# KiCad board panel.opm-inline.kicad_pcb (continued)
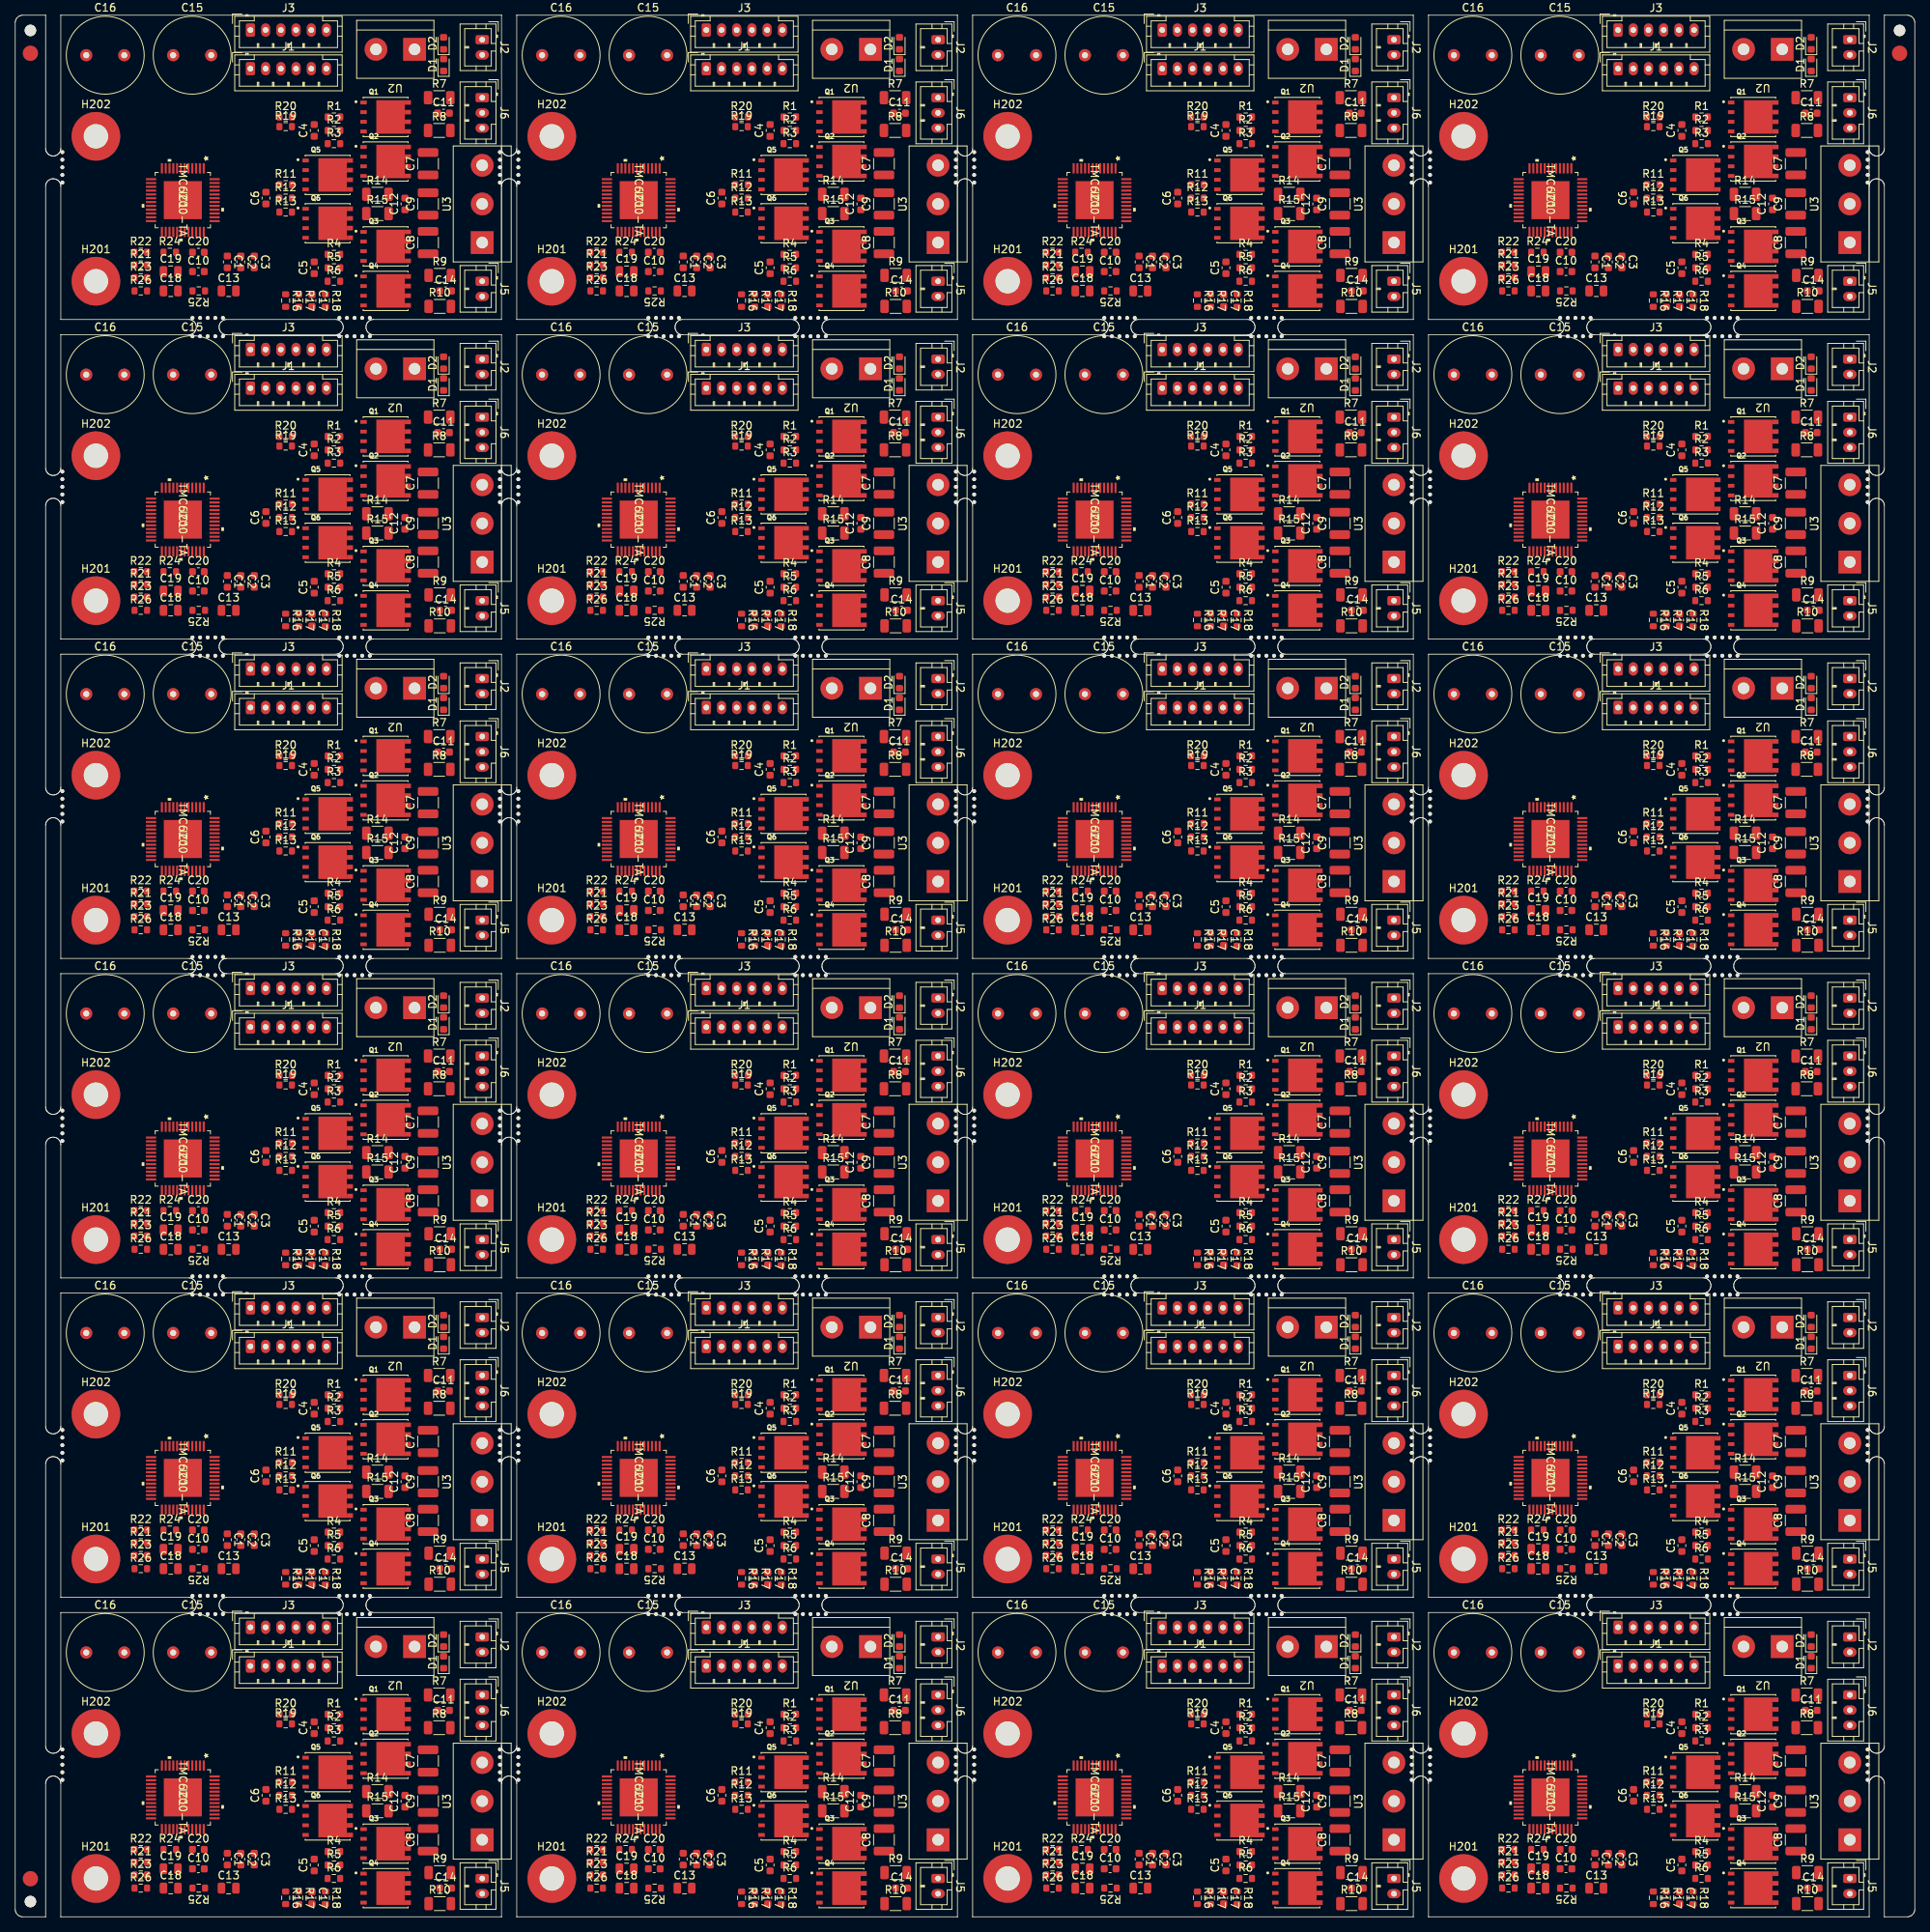
[diagram p0: board, top side]
## Placement (name value [footprint] x y rotation side) (continued)
R16#6  10000R/1%  [R_0603_1608Metric]  95.52 170.46 270 top
R16#7  10000R/1%  [R_0603_1608Metric]  155.47 170.46 270 top
R16#8  10000R/1%  [R_0603_1608Metric]  215.42 170.46 270 top
R16#9  10000R/1%  [R_0603_1608Metric]  35.57 128.47 270 top
R16#10  10000R/1%  [R_0603_1608Metric]  95.52 128.47 270 top
R16#11  10000R/1%  [R_0603_1608Metric]  155.47 128.47 270 top
R16#12  10000R/1%  [R_0603_1608Metric]  215.42 128.47 270 top
R16#13  10000R/1%  [R_0603_1608Metric]  35.57 86.48 270 top
R16#14  10000R/1%  [R_0603_1608Metric]  95.52 86.48 270 top
R16#15  10000R/1%  [R_0603_1608Metric]  155.47 86.48 270 top
R16#16  10000R/1%  [R_0603_1608Metric]  215.42 86.48 270 top
R16#17  10000R/1%  [R_0603_1608Metric]  35.57 44.49 270 top
R16#18  10000R/1%  [R_0603_1608Metric]  95.52 44.49 270 top
R16#19  10000R/1%  [R_0603_1608Metric]  155.47 44.49 270 top
R16#20  10000R/1%  [R_0603_1608Metric]  215.42 44.49 270 top
R16#21  10000R/1%  [R_0603_1608Metric]  35.57 2.5 270 top
R16#22  10000R/1%  [R_0603_1608Metric]  95.52 2.5 270 top
R16#23  10000R/1%  [R_0603_1608Metric]  155.47 2.5 270 top
R16#24  10000R/1%  [R_0603_1608Metric]  215.42 2.5 270 top
R17  4700R/1%  [R_0603_1608Metric]  37.28 212.45 270 top
R17#2  4700R/1%  [R_0603_1608Metric]  97.23 212.45 270 top
R17#3  4700R/1%  [R_0603_1608Metric]  157.18 212.45 270 top
R17#4  4700R/1%  [R_0603_1608Metric]  217.13 212.45 270 top
R17#5  4700R/1%  [R_0603_1608Metric]  37.28 170.46 270 top
R17#6  4700R/1%  [R_0603_1608Metric]  97.23 170.46 270 top
R17#7  4700R/1%  [R_0603_1608Metric]  157.18 170.46 270 top
R17#8  4700R/1%  [R_0603_1608Metric]  217.13 170.46 270 top
R17#9  4700R/1%  [R_0603_1608Metric]  37.28 128.47 270 top
R17#10  4700R/1%  [R_0603_1608Metric]  97.23 128.47 270 top
R17#11  4700R/1%  [R_0603_1608Metric]  157.18 128.47 270 top
R17#12  4700R/1%  [R_0603_1608Metric]  217.13 128.47 270 top
R17#13  4700R/1%  [R_0603_1608Metric]  37.28 86.48 270 top
R17#14  4700R/1%  [R_0603_1608Metric]  97.23 86.48 270 top
R17#15  4700R/1%  [R_0603_1608Metric]  157.18 86.48 270 top
R17#16  4700R/1%  [R_0603_1608Metric]  217.13 86.48 270 top
R17#17  4700R/1%  [R_0603_1608Metric]  37.28 44.49 270 top
R17#18  4700R/1%  [R_0603_1608Metric]  97.23 44.49 270 top
R17#19  4700R/1%  [R_0603_1608Metric]  157.18 44.49 270 top
R17#20  4700R/1%  [R_0603_1608Metric]  217.13 44.49 270 top
R17#21  4700R/1%  [R_0603_1608Metric]  37.28 2.5 270 top
R17#22  4700R/1%  [R_0603_1608Metric]  97.23 2.5 270 top
R17#23  4700R/1%  [R_0603_1608Metric]  157.18 2.5 270 top
R17#24  4700R/1%  [R_0603_1608Metric]  217.13 2.5 270 top
R18  4700R/1%  [R_0603_1608Metric]  40.79 212.45 270 top
R18#2  4700R/1%  [R_0603_1608Metric]  100.74 212.45 270 top
R18#3  4700R/1%  [R_0603_1608Metric]  160.69 212.45 270 top
R18#4  4700R/1%  [R_0603_1608Metric]  220.64 212.45 270 top
R18#5  4700R/1%  [R_0603_1608Metric]  40.79 170.46 270 top
R18#6  4700R/1%  [R_0603_1608Metric]  100.74 170.46 270 top
R18#7  4700R/1%  [R_0603_1608Metric]  160.69 170.46 270 top
R18#8  4700R/1%  [R_0603_1608Metric]  220.64 170.46 270 top
R18#9  4700R/1%  [R_0603_1608Metric]  40.79 128.47 270 top
R18#10  4700R/1%  [R_0603_1608Metric]  100.74 128.47 270 top
R18#11  4700R/1%  [R_0603_1608Metric]  160.69 128.47 270 top
R18#12  4700R/1%  [R_0603_1608Metric]  220.64 128.47 270 top
R18#13  4700R/1%  [R_0603_1608Metric]  40.79 86.48 270 top
R18#14  4700R/1%  [R_0603_1608Metric]  100.74 86.48 270 top
R18#15  4700R/1%  [R_0603_1608Metric]  160.69 86.48 270 top
R18#16  4700R/1%  [R_0603_1608Metric]  220.64 86.48 270 top
R18#17  4700R/1%  [R_0603_1608Metric]  40.79 44.49 270 top
R18#18  4700R/1%  [R_0603_1608Metric]  100.74 44.49 270 top
R18#19  4700R/1%  [R_0603_1608Metric]  160.69 44.49 270 top
R18#20  4700R/1%  [R_0603_1608Metric]  220.64 44.49 270 top
R18#21  4700R/1%  [R_0603_1608Metric]  40.79 2.5 270 top
R18#22  4700R/1%  [R_0603_1608Metric]  100.74 2.5 270 top
R18#23  4700R/1%  [R_0603_1608Metric]  160.69 2.5 270 top
R18#24  4700R/1%  [R_0603_1608Metric]  220.64 2.5 270 top
R19  1000R/1%  [R_0603_1608Metric]  35.57 235.31 0 top
R19#2  1000R/1%  [R_0603_1608Metric]  95.52 235.31 0 top
R19#3  1000R/1%  [R_0603_1608Metric]  155.47 235.31 0 top
R19#4  1000R/1%  [R_0603_1608Metric]  215.42 235.31 0 top
R19#5  1000R/1%  [R_0603_1608Metric]  35.57 193.32 0 top
R19#6  1000R/1%  [R_0603_1608Metric]  95.52 193.32 0 top
R19#7  1000R/1%  [R_0603_1608Metric]  155.47 193.32 0 top
R19#8  1000R/1%  [R_0603_1608Metric]  215.42 193.32 0 top
R19#9  1000R/1%  [R_0603_1608Metric]  35.57 151.33 0 top
R19#10  1000R/1%  [R_0603_1608Metric]  95.52 151.33 0 top
R19#11  1000R/1%  [R_0603_1608Metric]  155.47 151.33 0 top
R19#12  1000R/1%  [R_0603_1608Metric]  215.42 151.33 0 top
R19#13  1000R/1%  [R_0603_1608Metric]  35.57 109.34 0 top
R19#14  1000R/1%  [R_0603_1608Metric]  95.52 109.34 0 top
R19#15  1000R/1%  [R_0603_1608Metric]  155.47 109.34 0 top
R19#16  1000R/1%  [R_0603_1608Metric]  215.42 109.34 0 top
R19#17  1000R/1%  [R_0603_1608Metric]  35.57 67.35 0 top
R19#18  1000R/1%  [R_0603_1608Metric]  95.52 67.35 0 top
R19#19  1000R/1%  [R_0603_1608Metric]  155.47 67.35 0 top
R19#20  1000R/1%  [R_0603_1608Metric]  215.42 67.35 0 top
R19#21  1000R/1%  [R_0603_1608Metric]  35.57 25.36 0 top
R19#22  1000R/1%  [R_0603_1608Metric]  95.52 25.36 0 top
R19#23  1000R/1%  [R_0603_1608Metric]  155.47 25.36 0 top
R19#24  1000R/1%  [R_0603_1608Metric]  215.42 25.36 0 top
R20  150R/1%  [R_0603_1608Metric]  35.57 236.58 0 top
R20#2  150R/1%  [R_0603_1608Metric]  95.52 236.58 0 top
R20#3  150R/1%  [R_0603_1608Metric]  155.47 236.58 0 top
R20#4  150R/1%  [R_0603_1608Metric]  215.42 236.58 0 top
R20#5  150R/1%  [R_0603_1608Metric]  35.57 194.59 0 top
R20#6  150R/1%  [R_0603_1608Metric]  95.52 194.59 0 top
R20#7  150R/1%  [R_0603_1608Metric]  155.47 194.59 0 top
R20#8  150R/1%  [R_0603_1608Metric]  215.42 194.59 0 top
R20#9  150R/1%  [R_0603_1608Metric]  35.57 152.6 0 top
R20#10  150R/1%  [R_0603_1608Metric]  95.52 152.6 0 top
R20#11  150R/1%  [R_0603_1608Metric]  155.47 152.6 0 top
R20#12  150R/1%  [R_0603_1608Metric]  215.42 152.6 0 top
R20#13  150R/1%  [R_0603_1608Metric]  35.57 110.61 0 top
R20#14  150R/1%  [R_0603_1608Metric]  95.52 110.61 0 top
R20#15  150R/1%  [R_0603_1608Metric]  155.47 110.61 0 top
R20#16  150R/1%  [R_0603_1608Metric]  215.42 110.61 0 top
R20#17  150R/1%  [R_0603_1608Metric]  35.57 68.62 0 top
R20#18  150R/1%  [R_0603_1608Metric]  95.52 68.62 0 top
R20#19  150R/1%  [R_0603_1608Metric]  155.47 68.62 0 top
R20#20  150R/1%  [R_0603_1608Metric]  215.42 68.62 0 top
R20#21  150R/1%  [R_0603_1608Metric]  35.57 26.63 0 top
R20#22  150R/1%  [R_0603_1608Metric]  95.52 26.63 0 top
R20#23  150R/1%  [R_0603_1608Metric]  155.47 26.63 0 top
R20#24  150R/1%  [R_0603_1608Metric]  215.42 26.63 0 top
R21  1000R/1%  [R_0603_1608Metric]  16.52 217.13 0 top
R21#2  1000R/1%  [R_0603_1608Metric]  76.47 217.13 0 top
R21#3  1000R/1%  [R_0603_1608Metric]  136.42 217.13 0 top
R21#4  1000R/1%  [R_0603_1608Metric]  196.37 217.13 0 top
R21#5  1000R/1%  [R_0603_1608Metric]  16.52 175.14 0 top
R21#6  1000R/1%  [R_0603_1608Metric]  76.47 175.14 0 top
R21#7  1000R/1%  [R_0603_1608Metric]  136.42 175.14 0 top
R21#8  1000R/1%  [R_0603_1608Metric]  196.37 175.14 0 top
R21#9  1000R/1%  [R_0603_1608Metric]  16.52 133.15 0 top
R21#10  1000R/1%  [R_0603_1608Metric]  76.47 133.15 0 top
R21#11  1000R/1%  [R_0603_1608Metric]  136.42 133.15 0 top
R21#12  1000R/1%  [R_0603_1608Metric]  196.37 133.15 0 top
R21#13  1000R/1%  [R_0603_1608Metric]  16.52 91.16 0 top
R21#14  1000R/1%  [R_0603_1608Metric]  76.47 91.16 0 top
R21#15  1000R/1%  [R_0603_1608Metric]  136.42 91.16 0 top
R21#16  1000R/1%  [R_0603_1608Metric]  196.37 91.16 0 top
R21#17  1000R/1%  [R_0603_1608Metric]  16.52 49.17 0 top
R21#18  1000R/1%  [R_0603_1608Metric]  76.47 49.17 0 top
R21#19  1000R/1%  [R_0603_1608Metric]  136.42 49.17 0 top
R21#20  1000R/1%  [R_0603_1608Metric]  196.37 49.17 0 top
R21#21  1000R/1%  [R_0603_1608Metric]  16.52 7.18 0 top
R21#22  1000R/1%  [R_0603_1608Metric]  76.47 7.18 0 top
R21#23  1000R/1%  [R_0603_1608Metric]  136.42 7.18 0 top
R21#24  1000R/1%  [R_0603_1608Metric]  196.37 7.18 0 top
R22  0R  [R_0603_1608Metric]  16.52 218.8 0 top
R22#2  0R  [R_0603_1608Metric]  76.47 218.8 0 top
R22#3  0R  [R_0603_1608Metric]  136.42 218.8 0 top
R22#4  0R  [R_0603_1608Metric]  196.37 218.8 0 top
R22#5  0R  [R_0603_1608Metric]  16.52 176.81 0 top
R22#6  0R  [R_0603_1608Metric]  76.47 176.81 0 top
R22#7  0R  [R_0603_1608Metric]  136.42 176.81 0 top
R22#8  0R  [R_0603_1608Metric]  196.37 176.81 0 top
R22#9  0R  [R_0603_1608Metric]  16.52 134.82 0 top
R22#10  0R  [R_0603_1608Metric]  76.47 134.82 0 top
R22#11  0R  [R_0603_1608Metric]  136.42 134.82 0 top
R22#12  0R  [R_0603_1608Metric]  196.37 134.82 0 top
R22#13  0R  [R_0603_1608Metric]  16.52 92.83 0 top
R22#14  0R  [R_0603_1608Metric]  76.47 92.83 0 top
R22#15  0R  [R_0603_1608Metric]  136.42 92.83 0 top
R22#16  0R  [R_0603_1608Metric]  196.37 92.83 0 top
R22#17  0R  [R_0603_1608Metric]  16.52 50.84 0 top
R22#18  0R  [R_0603_1608Metric]  76.47 50.84 0 top
R22#19  0R  [R_0603_1608Metric]  136.42 50.84 0 top
R22#20  0R  [R_0603_1608Metric]  196.37 50.84 0 top
R22#21  0R  [R_0603_1608Metric]  16.52 8.85 0 top
R22#22  0R  [R_0603_1608Metric]  76.47 8.85 0 top
R22#23  0R  [R_0603_1608Metric]  136.42 8.85 0 top
R22#24  0R  [R_0603_1608Metric]  196.37 8.85 0 top
R23  1500R/1%  [R_0603_1608Metric]  16.52 215.46 0 top
R23#2  1500R/1%  [R_0603_1608Metric]  76.47 215.46 0 top
R23#3  1500R/1%  [R_0603_1608Metric]  136.42 215.46 0 top
R23#4  1500R/1%  [R_0603_1608Metric]  196.37 215.46 0 top
R23#5  1500R/1%  [R_0603_1608Metric]  16.52 173.47 0 top
R23#6  1500R/1%  [R_0603_1608Metric]  76.47 173.47 0 top
R23#7  1500R/1%  [R_0603_1608Metric]  136.42 173.47 0 top
R23#8  1500R/1%  [R_0603_1608Metric]  196.37 173.47 0 top
R23#9  1500R/1%  [R_0603_1608Metric]  16.52 131.48 0 top
R23#10  1500R/1%  [R_0603_1608Metric]  76.47 131.48 0 top
R23#11  1500R/1%  [R_0603_1608Metric]  136.42 131.48 0 top
R23#12  1500R/1%  [R_0603_1608Metric]  196.37 131.48 0 top
R23#13  1500R/1%  [R_0603_1608Metric]  16.52 89.49 0 top
R23#14  1500R/1%  [R_0603_1608Metric]  76.47 89.49 0 top
R23#15  1500R/1%  [R_0603_1608Metric]  136.42 89.49 0 top
R23#16  1500R/1%  [R_0603_1608Metric]  196.37 89.49 0 top
R23#17  1500R/1%  [R_0603_1608Metric]  16.52 47.5 0 top
R23#18  1500R/1%  [R_0603_1608Metric]  76.47 47.5 0 top
R23#19  1500R/1%  [R_0603_1608Metric]  136.42 47.5 0 top
R23#20  1500R/1%  [R_0603_1608Metric]  196.37 47.5 0 top
R23#21  1500R/1%  [R_0603_1608Metric]  16.52 5.51 0 top
R23#22  1500R/1%  [R_0603_1608Metric]  76.47 5.51 0 top
R23#23  1500R/1%  [R_0603_1608Metric]  136.42 5.51 0 top
R23#24  1500R/1%  [R_0603_1608Metric]  196.37 5.51 0 top
R24  4700R/1%  [R_0603_1608Metric]  20.33 218.8 0 top
R24#2  4700R/1%  [R_0603_1608Metric]  80.28 218.8 0 top
R24#3  4700R/1%  [R_0603_1608Metric]  140.23 218.8 0 top
R24#4  4700R/1%  [R_0603_1608Metric]  200.18 218.8 0 top
R24#5  4700R/1%  [R_0603_1608Metric]  20.33 176.81 0 top
R24#6  4700R/1%  [R_0603_1608Metric]  80.28 176.81 0 top
R24#7  4700R/1%  [R_0603_1608Metric]  140.23 176.81 0 top
R24#8  4700R/1%  [R_0603_1608Metric]  200.18 176.81 0 top
R24#9  4700R/1%  [R_0603_1608Metric]  20.33 134.82 0 top
R24#10  4700R/1%  [R_0603_1608Metric]  80.28 134.82 0 top
R24#11  4700R/1%  [R_0603_1608Metric]  140.23 134.82 0 top
R24#12  4700R/1%  [R_0603_1608Metric]  200.18 134.82 0 top
R24#13  4700R/1%  [R_0603_1608Metric]  20.33 92.83 0 top
R24#14  4700R/1%  [R_0603_1608Metric]  80.28 92.83 0 top
R24#15  4700R/1%  [R_0603_1608Metric]  140.23 92.83 0 top
R24#16  4700R/1%  [R_0603_1608Metric]  200.18 92.83 0 top
R24#17  4700R/1%  [R_0603_1608Metric]  20.33 50.84 0 top
R24#18  4700R/1%  [R_0603_1608Metric]  80.28 50.84 0 top
R24#19  4700R/1%  [R_0603_1608Metric]  140.23 50.84 0 top
R24#20  4700R/1%  [R_0603_1608Metric]  200.18 50.84 0 top
R24#21  4700R/1%  [R_0603_1608Metric]  20.33 8.85 0 top
R24#22  4700R/1%  [R_0603_1608Metric]  80.28 8.85 0 top
R24#23  4700R/1%  [R_0603_1608Metric]  140.23 8.85 0 top
R24#24  4700R/1%  [R_0603_1608Metric]  200.18 8.85 0 top
R25  0Ω  [R_0603_1608Metric]  24.14 213.72 180 top
R25#2  0Ω  [R_0603_1608Metric]  84.09 213.72 180 top
R25#3  0Ω  [R_0603_1608Metric]  144.04 213.72 180 top
R25#4  0Ω  [R_0603_1608Metric]  203.99 213.72 180 top
R25#5  0Ω  [R_0603_1608Metric]  24.14 171.73 180 top
R25#6  0Ω  [R_0603_1608Metric]  84.09 171.73 180 top
R25#7  0Ω  [R_0603_1608Metric]  144.04 171.73 180 top
R25#8  0Ω  [R_0603_1608Metric]  203.99 171.73 180 top
R25#9  0Ω  [R_0603_1608Metric]  24.14 129.74 180 top
R25#10  0Ω  [R_0603_1608Metric]  84.09 129.74 180 top
R25#11  0Ω  [R_0603_1608Metric]  144.04 129.74 180 top
R25#12  0Ω  [R_0603_1608Metric]  203.99 129.74 180 top
R25#13  0Ω  [R_0603_1608Metric]  24.14 87.75 180 top
R25#14  0Ω  [R_0603_1608Metric]  84.09 87.75 180 top
R25#15  0Ω  [R_0603_1608Metric]  144.04 87.75 180 top
R25#16  0Ω  [R_0603_1608Metric]  203.99 87.75 180 top
R25#17  0Ω  [R_0603_1608Metric]  24.14 45.76 180 top
R25#18  0Ω  [R_0603_1608Metric]  84.09 45.76 180 top
R25#19  0Ω  [R_0603_1608Metric]  144.04 45.76 180 top
R25#20  0Ω  [R_0603_1608Metric]  203.99 45.76 180 top
R25#21  0Ω  [R_0603_1608Metric]  24.14 3.77 180 top
R25#22  0Ω  [R_0603_1608Metric]  84.09 3.77 180 top
R25#23  0Ω  [R_0603_1608Metric]  144.04 3.77 180 top
R25#24  0Ω  [R_0603_1608Metric]  203.99 3.77 180 top
R26  0R  [R_0603_1608Metric]  16.52 213.72 0 top
R26#2  0R  [R_0603_1608Metric]  76.47 213.72 0 top
R26#3  0R  [R_0603_1608Metric]  136.42 213.72 0 top
R26#4  0R  [R_0603_1608Metric]  196.37 213.72 0 top
R26#5  0R  [R_0603_1608Metric]  16.52 171.73 0 top
R26#6  0R  [R_0603_1608Metric]  76.47 171.73 0 top
R26#7  0R  [R_0603_1608Metric]  136.42 171.73 0 top
R26#8  0R  [R_0603_1608Metric]  196.37 171.73 0 top
R26#9  0R  [R_0603_1608Metric]  16.52 129.74 0 top
R26#10  0R  [R_0603_1608Metric]  76.47 129.74 0 top
R26#11  0R  [R_0603_1608Metric]  136.42 129.74 0 top
R26#12  0R  [R_0603_1608Metric]  196.37 129.74 0 top
R26#13  0R  [R_0603_1608Metric]  16.52 87.75 0 top
R26#14  0R  [R_0603_1608Metric]  76.47 87.75 0 top
R26#15  0R  [R_0603_1608Metric]  136.42 87.75 0 top
R26#16  0R  [R_0603_1608Metric]  196.37 87.75 0 top
R26#17  0R  [R_0603_1608Metric]  16.52 45.76 0 top
R26#18  0R  [R_0603_1608Metric]  76.47 45.76 0 top
R26#19  0R  [R_0603_1608Metric]  136.42 45.76 0 top
R26#20  0R  [R_0603_1608Metric]  196.37 45.76 0 top
R26#21  0R  [R_0603_1608Metric]  16.52 3.77 0 top
R26#22  0R  [R_0603_1608Metric]  76.47 3.77 0 top
R26#23  0R  [R_0603_1608Metric]  136.42 3.77 0 top
R26#24  0R  [R_0603_1608Metric]  196.37 3.77 0 top
REF**  -  [NPTH]  2 247.95 0 top
REF**#2  -  [NPTH]  247.8 247.95 0 top
REF**#3  -  [NPTH]  2 2 0 top
REF**#4  -  [Fiducial]  2 244.95 0 top
REF**#5  -  [Fiducial]  247.8 244.95 0 top
REF**#6  -  [Fiducial]  2 5 0 top
REF**#7  -  [NPTH#2]  6.2 227.96 0 top
REF**#8  -  [NPTH#2]  6.2 228.96 0 top
REF**#9  -  [NPTH#2]  6.2 229.96 0 top
REF**#10  -  [NPTH#2]  6.2 230.96 0 top
REF**#11  -  [NPTH#2]  6.2 231.96 0 top
REF**#12  -  [NPTH#2]  63.75 231.96 0 top
REF**#13  -  [NPTH#2]  63.75 230.96 0 top
REF**#14  -  [NPTH#2]  63.75 229.96 0 top
REF**#15  -  [NPTH#2]  63.75 228.96 0 top
REF**#16  -  [NPTH#2]  63.75 227.96 0 top
REF**#17  -  [NPTH#2]  27.31 210.16 0 top
REF**#18  -  [NPTH#2]  26.31 210.16 0 top
REF**#19  -  [NPTH#2]  25.31 210.16 0 top
REF**#20  -  [NPTH#2]  24.31 210.16 0 top
REF**#21  -  [NPTH#2]  23.31 210.16 0 top
REF**#22  -  [NPTH#2]  46.63 210.16 0 top
REF**#23  -  [NPTH#2]  45.63 210.16 0 top
REF**#24  -  [NPTH#2]  44.63 210.16 0 top
REF**#25  -  [NPTH#2]  43.63 210.16 0 top
REF**#26  -  [NPTH#2]  42.63 210.16 0 top
REF**#27  -  [NPTH#2]  66.16 227.96 0 top
REF**#28  -  [NPTH#2]  66.16 228.96 0 top
REF**#29  -  [NPTH#2]  66.16 229.96 0 top
REF**#30  -  [NPTH#2]  66.16 230.96 0 top
REF**#31  -  [NPTH#2]  66.16 231.96 0 top
REF**#32  -  [NPTH#2]  123.71 231.96 0 top
REF**#33  -  [NPTH#2]  123.71 230.96 0 top
REF**#34  -  [NPTH#2]  123.71 229.96 0 top
REF**#35  -  [NPTH#2]  123.71 228.96 0 top
REF**#36  -  [NPTH#2]  123.71 227.96 0 top
REF**#37  -  [NPTH#2]  87.27 210.16 0 top
REF**#38  -  [NPTH#2]  86.27 210.16 0 top
REF**#39  -  [NPTH#2]  85.27 210.16 0 top
REF**#40  -  [NPTH#2]  84.27 210.16 0 top
REF**#41  -  [NPTH#2]  83.27 210.16 0 top
REF**#42  -  [NPTH#2]  106.59 210.16 0 top
REF**#43  -  [NPTH#2]  105.59 210.16 0 top
REF**#44  -  [NPTH#2]  104.59 210.16 0 top
REF**#45  -  [NPTH#2]  103.59 210.16 0 top
REF**#46  -  [NPTH#2]  102.59 210.16 0 top
REF**#47  -  [NPTH#2]  126.11 227.96 0 top
REF**#48  -  [NPTH#2]  126.11 228.96 0 top
REF**#49  -  [NPTH#2]  126.11 229.96 0 top
REF**#50  -  [NPTH#2]  126.11 230.96 0 top
REF**#51  -  [NPTH#2]  126.11 231.96 0 top
REF**#52  -  [NPTH#2]  183.66 231.96 0 top
REF**#53  -  [NPTH#2]  183.66 230.96 0 top
REF**#54  -  [NPTH#2]  183.66 229.96 0 top
REF**#55  -  [NPTH#2]  183.66 228.96 0 top
REF**#56  -  [NPTH#2]  183.66 227.96 0 top
REF**#57  -  [NPTH#2]  147.22 210.16 0 top
REF**#58  -  [NPTH#2]  146.22 210.16 0 top
REF**#59  -  [NPTH#2]  145.22 210.16 0 top
REF**#60  -  [NPTH#2]  144.22 210.16 0 top
REF**#61  -  [NPTH#2]  143.22 210.16 0 top
REF**#62  -  [NPTH#2]  166.54 210.16 0 top
REF**#63  -  [NPTH#2]  165.54 210.16 0 top
REF**#64  -  [NPTH#2]  164.54 210.16 0 top
REF**#65  -  [NPTH#2]  163.54 210.16 0 top
REF**#66  -  [NPTH#2]  162.54 210.16 0 top
REF**#67  -  [NPTH#2]  186.06 227.96 0 top
REF**#68  -  [NPTH#2]  186.06 228.96 0 top
REF**#69  -  [NPTH#2]  186.06 229.96 0 top
REF**#70  -  [NPTH#2]  186.06 230.96 0 top
REF**#71  -  [NPTH#2]  186.06 231.96 0 top
REF**#72  -  [NPTH#2]  243.61 231.96 0 top
REF**#73  -  [NPTH#2]  243.61 230.96 0 top
REF**#74  -  [NPTH#2]  243.61 229.96 0 top
REF**#75  -  [NPTH#2]  243.61 228.96 0 top
REF**#76  -  [NPTH#2]  243.61 227.96 0 top
REF**#77  -  [NPTH#2]  207.17 210.16 0 top
REF**#78  -  [NPTH#2]  206.17 210.16 0 top
REF**#79  -  [NPTH#2]  205.17 210.16 0 top
REF**#80  -  [NPTH#2]  204.17 210.16 0 top
REF**#81  -  [NPTH#2]  203.17 210.16 0 top
REF**#82  -  [NPTH#2]  226.49 210.16 0 top
REF**#83  -  [NPTH#2]  225.49 210.16 0 top
REF**#84  -  [NPTH#2]  224.49 210.16 0 top
REF**#85  -  [NPTH#2]  223.49 210.16 0 top
REF**#86  -  [NPTH#2]  222.49 210.16 0 top
REF**#87  -  [NPTH#2]  6.2 185.96 0 top
REF**#88  -  [NPTH#2]  6.2 186.96 0 top
REF**#89  -  [NPTH#2]  6.2 187.96 0 top
REF**#90  -  [NPTH#2]  6.2 188.96 0 top
REF**#91  -  [NPTH#2]  6.2 189.96 0 top
REF**#92  -  [NPTH#2]  63.75 189.96 0 top
REF**#93  -  [NPTH#2]  63.75 188.96 0 top
REF**#94  -  [NPTH#2]  63.75 187.96 0 top
REF**#95  -  [NPTH#2]  63.75 186.96 0 top
REF**#96  -  [NPTH#2]  63.75 185.96 0 top
REF**#97  -  [NPTH#2]  23.31 207.75 0 top
REF**#98  -  [NPTH#2]  24.31 207.75 0 top
REF**#99  -  [NPTH#2]  25.31 207.75 0 top
REF**#100  -  [NPTH#2]  26.31 207.75 0 top
REF**#101  -  [NPTH#2]  27.31 207.75 0 top
REF**#102  -  [NPTH#2]  42.63 207.75 0 top
REF**#103  -  [NPTH#2]  43.63 207.75 0 top
REF**#104  -  [NPTH#2]  44.63 207.75 0 top
REF**#105  -  [NPTH#2]  45.63 207.75 0 top
REF**#106  -  [NPTH#2]  46.63 207.75 0 top
REF**#107  -  [NPTH#2]  27.31 168.16 0 top
REF**#108  -  [NPTH#2]  26.31 168.16 0 top
REF**#109  -  [NPTH#2]  25.31 168.16 0 top
REF**#110  -  [NPTH#2]  24.31 168.16 0 top
REF**#111  -  [NPTH#2]  23.31 168.16 0 top
REF**#112  -  [NPTH#2]  46.63 168.16 0 top
REF**#113  -  [NPTH#2]  45.63 168.16 0 top
REF**#114  -  [NPTH#2]  44.63 168.16 0 top
REF**#115  -  [NPTH#2]  43.63 168.16 0 top
REF**#116  -  [NPTH#2]  42.63 168.16 0 top
REF**#117  -  [NPTH#2]  66.16 185.96 0 top
REF**#118  -  [NPTH#2]  66.16 186.96 0 top
REF**#119  -  [NPTH#2]  66.16 187.96 0 top
REF**#120  -  [NPTH#2]  66.16 188.96 0 top
REF**#121  -  [NPTH#2]  66.16 189.96 0 top
REF**#122  -  [NPTH#2]  123.71 189.96 0 top
REF**#123  -  [NPTH#2]  123.71 188.96 0 top
REF**#124  -  [NPTH#2]  123.71 187.96 0 top
REF**#125  -  [NPTH#2]  123.71 186.96 0 top
REF**#126  -  [NPTH#2]  123.71 185.96 0 top
REF**#127  -  [NPTH#2]  83.27 207.75 0 top
REF**#128  -  [NPTH#2]  84.27 207.75 0 top
REF**#129  -  [NPTH#2]  85.27 207.75 0 top
REF**#130  -  [NPTH#2]  86.27 207.75 0 top
REF**#131  -  [NPTH#2]  87.27 207.75 0 top
REF**#132  -  [NPTH#2]  102.59 207.75 0 top
REF**#133  -  [NPTH#2]  103.59 207.75 0 top
REF**#134  -  [NPTH#2]  104.59 207.75 0 top
REF**#135  -  [NPTH#2]  105.59 207.75 0 top
REF**#136  -  [NPTH#2]  106.59 207.75 0 top
REF**#137  -  [NPTH#2]  87.27 168.16 0 top
REF**#138  -  [NPTH#2]  86.27 168.16 0 top
REF**#139  -  [NPTH#2]  85.27 168.16 0 top
REF**#140  -  [NPTH#2]  84.27 168.16 0 top
REF**#141  -  [NPTH#2]  83.27 168.16 0 top
REF**#142  -  [NPTH#2]  106.59 168.16 0 top
REF**#143  -  [NPTH#2]  105.59 168.16 0 top
REF**#144  -  [NPTH#2]  104.59 168.16 0 top
REF**#145  -  [NPTH#2]  103.59 168.16 0 top
REF**#146  -  [NPTH#2]  102.59 168.16 0 top
REF**#147  -  [NPTH#2]  126.11 185.96 0 top
REF**#148  -  [NPTH#2]  126.11 186.96 0 top
REF**#149  -  [NPTH#2]  126.11 187.96 0 top
REF**#150  -  [NPTH#2]  126.11 188.96 0 top
REF**#151  -  [NPTH#2]  126.11 189.96 0 top
REF**#152  -  [NPTH#2]  183.66 189.96 0 top
REF**#153  -  [NPTH#2]  183.66 188.96 0 top
REF**#154  -  [NPTH#2]  183.66 187.96 0 top
REF**#155  -  [NPTH#2]  183.66 186.96 0 top
REF**#156  -  [NPTH#2]  183.66 185.96 0 top
REF**#157  -  [NPTH#2]  143.22 207.75 0 top
REF**#158  -  [NPTH#2]  144.22 207.75 0 top
REF**#159  -  [NPTH#2]  145.22 207.75 0 top
REF**#160  -  [NPTH#2]  146.22 207.75 0 top
REF**#161  -  [NPTH#2]  147.22 207.75 0 top
REF**#162  -  [NPTH#2]  162.54 207.75 0 top
REF**#163  -  [NPTH#2]  163.54 207.75 0 top
REF**#164  -  [NPTH#2]  164.54 207.75 0 top
REF**#165  -  [NPTH#2]  165.54 207.75 0 top
REF**#166  -  [NPTH#2]  166.54 207.75 0 top
REF**#167  -  [NPTH#2]  147.22 168.16 0 top
REF**#168  -  [NPTH#2]  146.22 168.16 0 top
REF**#169  -  [NPTH#2]  145.22 168.16 0 top
REF**#170  -  [NPTH#2]  144.22 168.16 0 top
REF**#171  -  [NPTH#2]  143.22 168.16 0 top
REF**#172  -  [NPTH#2]  166.54 168.16 0 top
REF**#173  -  [NPTH#2]  165.54 168.16 0 top
REF**#174  -  [NPTH#2]  164.54 168.16 0 top
REF**#175  -  [NPTH#2]  163.54 168.16 0 top
REF**#176  -  [NPTH#2]  162.54 168.16 0 top
REF**#177  -  [NPTH#2]  186.06 185.96 0 top
REF**#178  -  [NPTH#2]  186.06 186.96 0 top
REF**#179  -  [NPTH#2]  186.06 187.96 0 top
REF**#180  -  [NPTH#2]  186.06 188.96 0 top
REF**#181  -  [NPTH#2]  186.06 189.96 0 top
REF**#182  -  [NPTH#2]  243.61 189.96 0 top
REF**#183  -  [NPTH#2]  243.61 188.96 0 top
REF**#184  -  [NPTH#2]  243.61 187.96 0 top
REF**#185  -  [NPTH#2]  243.61 186.96 0 top
REF**#186  -  [NPTH#2]  243.61 185.96 0 top
REF**#187  -  [NPTH#2]  203.17 207.75 0 top
REF**#188  -  [NPTH#2]  204.17 207.75 0 top
REF**#189  -  [NPTH#2]  205.17 207.75 0 top
REF**#190  -  [NPTH#2]  206.17 207.75 0 top
REF**#191  -  [NPTH#2]  207.17 207.75 0 top
REF**#192  -  [NPTH#2]  222.49 207.75 0 top
REF**#193  -  [NPTH#2]  223.49 207.75 0 top
REF**#194  -  [NPTH#2]  224.49 207.75 0 top
REF**#195  -  [NPTH#2]  225.49 207.75 0 top
REF**#196  -  [NPTH#2]  226.49 207.75 0 top
REF**#197  -  [NPTH#2]  207.17 168.16 0 top
REF**#198  -  [NPTH#2]  206.17 168.16 0 top
REF**#199  -  [NPTH#2]  205.17 168.16 0 top
REF**#200  -  [NPTH#2]  204.17 168.16 0 top
REF**#201  -  [NPTH#2]  203.17 168.16 0 top
REF**#202  -  [NPTH#2]  226.49 168.16 0 top
REF**#203  -  [NPTH#2]  225.49 168.16 0 top
REF**#204  -  [NPTH#2]  224.49 168.16 0 top
REF**#205  -  [NPTH#2]  223.49 168.16 0 top
REF**#206  -  [NPTH#2]  222.49 168.16 0 top
REF**#207  -  [NPTH#2]  6.2 143.97 0 top
REF**#208  -  [NPTH#2]  6.2 144.97 0 top
REF**#209  -  [NPTH#2]  6.2 145.97 0 top
REF**#210  -  [NPTH#2]  6.2 146.97 0 top
REF**#211  -  [NPTH#2]  6.2 147.97 0 top
REF**#212  -  [NPTH#2]  63.75 147.97 0 top
REF**#213  -  [NPTH#2]  63.75 146.97 0 top
REF**#214  -  [NPTH#2]  63.75 145.97 0 top
REF**#215  -  [NPTH#2]  63.75 144.97 0 top
REF**#216  -  [NPTH#2]  63.75 143.97 0 top
REF**#217  -  [NPTH#2]  23.31 165.76 0 top
REF**#218  -  [NPTH#2]  24.31 165.76 0 top
REF**#219  -  [NPTH#2]  25.31 165.76 0 top
REF**#220  -  [NPTH#2]  26.31 165.76 0 top
REF**#221  -  [NPTH#2]  27.31 165.76 0 top
REF**#222  -  [NPTH#2]  42.63 165.76 0 top
REF**#223  -  [NPTH#2]  43.63 165.76 0 top
REF**#224  -  [NPTH#2]  44.63 165.76 0 top
REF**#225  -  [NPTH#2]  45.63 165.76 0 top
REF**#226  -  [NPTH#2]  46.63 165.76 0 top
REF**#227  -  [NPTH#2]  27.31 126.17 0 top
REF**#228  -  [NPTH#2]  26.31 126.17 0 top
REF**#229  -  [NPTH#2]  25.31 126.17 0 top
REF**#230  -  [NPTH#2]  24.31 126.17 0 top
REF**#231  -  [NPTH#2]  23.31 126.17 0 top
REF**#232  -  [NPTH#2]  46.63 126.17 0 top
REF**#233  -  [NPTH#2]  45.63 126.17 0 top
REF**#234  -  [NPTH#2]  44.63 126.17 0 top
REF**#235  -  [NPTH#2]  43.63 126.17 0 top
REF**#236  -  [NPTH#2]  42.63 126.17 0 top
REF**#237  -  [NPTH#2]  66.16 143.97 0 top
REF**#238  -  [NPTH#2]  66.16 144.97 0 top
REF**#239  -  [NPTH#2]  66.16 145.97 0 top
REF**#240  -  [NPTH#2]  66.16 146.97 0 top
REF**#241  -  [NPTH#2]  66.16 147.97 0 top
REF**#242  -  [NPTH#2]  123.71 147.97 0 top
REF**#243  -  [NPTH#2]  123.71 146.97 0 top
REF**#244  -  [NPTH#2]  123.71 145.97 0 top
REF**#245  -  [NPTH#2]  123.71 144.97 0 top
REF**#246  -  [NPTH#2]  123.71 143.97 0 top
REF**#247  -  [NPTH#2]  83.27 165.76 0 top
REF**#248  -  [NPTH#2]  84.27 165.76 0 top
REF**#249  -  [NPTH#2]  85.27 165.76 0 top
REF**#250  -  [NPTH#2]  86.27 165.76 0 top
REF**#251  -  [NPTH#2]  87.27 165.76 0 top
REF**#252  -  [NPTH#2]  102.59 165.76 0 top
REF**#253  -  [NPTH#2]  103.59 165.76 0 top
